# KiCad board DOOR-8CH.kicad_pcb (continued)
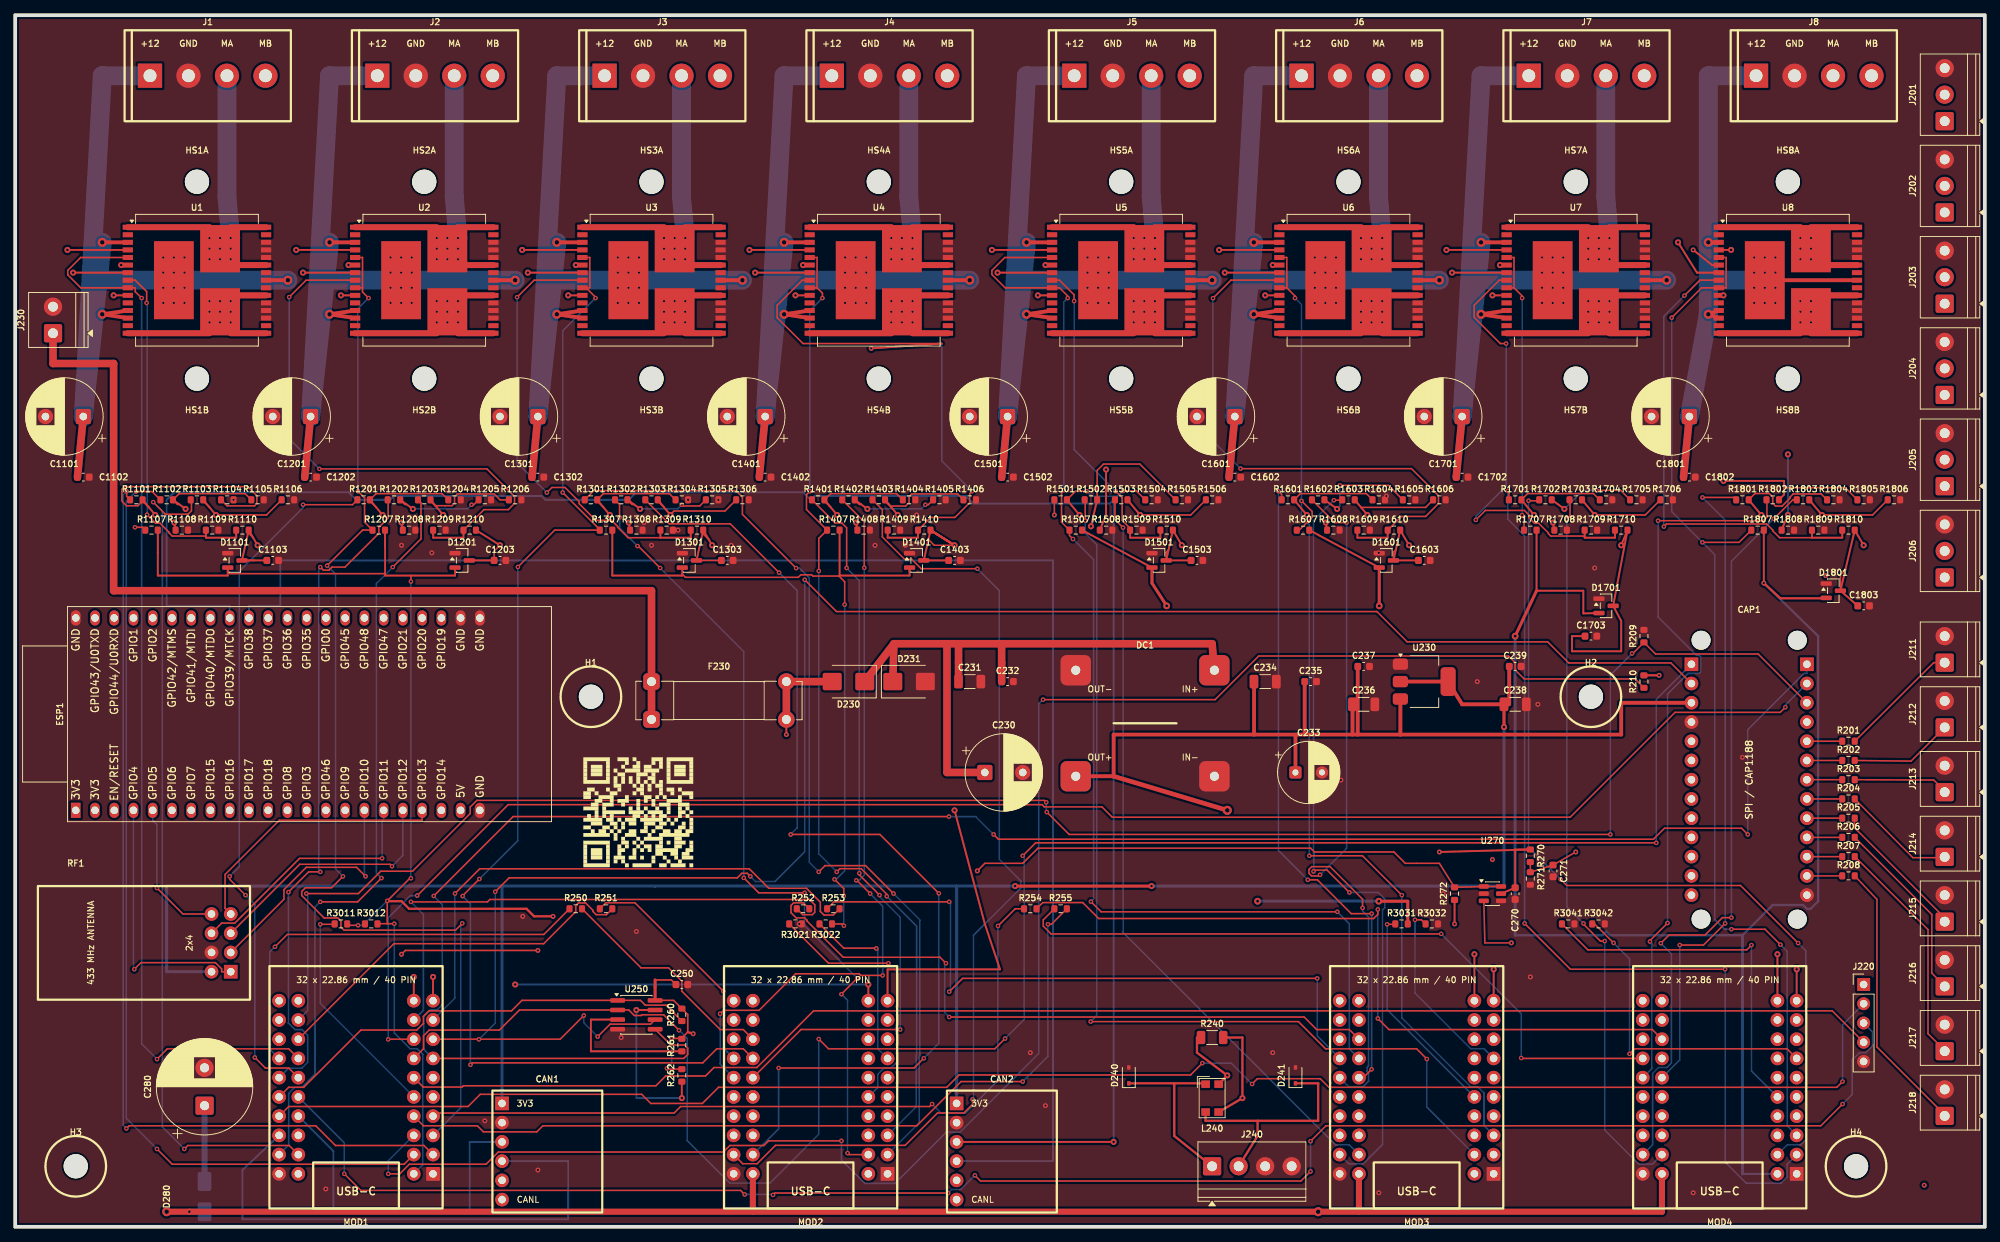
[diagram p0: board, top side]
## Footprints (pads in the part's own frame, mm; a bottom-side part is the same pattern mirrored in y, then rotated) (continued)
TerminalBlock_Phoenix_PT-1,5-2-3.5-H_1x02_P3.50mm_Horizontal
  rrect 2.4x2.4 hole 1.3: 1(0,0)
  round 2.4 hole 1.3: 2(3.5,0)
TerminalBlock_Phoenix_PT-1,5-3-3.5-H_1x03_P3.50mm_Horizontal
  rrect 2.4x2.4 hole 1.3: 1(0,0)
  round 2.4 hole 1.3: 2(3.5,0) 3(7,0)
TerminalBlock_Phoenix_PT-1,5-4-3.5-H_1x04_P3.50mm_Horizontal
  rrect 2.4x2.4 hole 1.3: 1(0,0)
  round 2.4 hole 1.3: 2(3.5,0) 3(7,0) 4(10.5,0)

## Nets
GND: C230.2 C231.2 C232.2 C233.2 C234.2 C235.2 C236.2 C237.2 C238.2 C239.2 C250.2 C270.2 C271.2 C280.2 C1101.2 C1102.2 C1103.2 C1201.2 C1202.2 C1203.2 C1301.2 C1302.2 C1303.2 C1401.2 C1402.2 C1403.2 C1501.2 C1502.2 C1503.2 C1601.2 C1602.2 C1603.2 C1701.2 C1702.2 C1703.2 C1801.2 C1802.2 C1803.2 CAN1.2 CAN2.2 CAP1.4 CAP1.26 D231.2 D240.2 D241.2 D1101.1 D1201.1 D1301.1 D1401.1 D1501.1 D1601.1 D1701.1 D1801.1 DC1.2 DC1.4 ESP1.22 ESP1.23 ESP1.24 ESP1.44 J1.2 J2.2 J3.2 J4.2 J5.2 J6.2 J7.2 J8.2 J201.3 J202.3 J203.3 J204.3 J205.3 J206.3 J211.2 J212.2 J213.2 J214.2 J215.2 J216.2 J217.2 J218.2 J220.5 J230.2 J240.3 J240.4 MOD1.1 MOD1.31 MOD2.1 MOD2.31 MOD3.1 MOD3.31 MOD4.1 MOD4.31 R209.2 R271.2 R1104.2 R1105.2 R1106.2 R1108.2 R1109.2 R1204.2 R1205.2 R1206.2 R1208.2 R1209.2 R1304.2 R1305.2 R1306.2 R1308.2 R1309.2 R1404.2 R1405.2 R1406.2 R1408.2 R1409.2 R1504.2 R1505.2 R1506.2 R1508.2 R1509.2 R1604.2 R1605.2 R1606.2 R1608.2 R1609.2 R1704.2 R1705.2 R1706.2 R1708.2 R1709.2 R1804.2 R1805.2 R1806.2 R1808.2 R1809.2 R3021.2 R3032.2 R3041.2 R3042.2 RF1.4 U1.18 U1.19 U1.20 U1.26 U1.27 U1.28 U2.18 U2.19 U2.20 U2.26 U2.27 U2.28 U3.18 U3.19 U3.20 U3.26 U3.27 U3.28 U4.18 U4.19 U4.20 U4.26 U4.27 U4.28 U5.18 U5.19 U5.20 U5.26 U5.27 U5.28 U6.18 U6.19 U6.20 U6.26 U6.27 U6.28 U7.18 U7.19 U7.20 U7.26 U7.27 U7.28 U8.18 U8.19 U8.20 U8.26 U8.27 U8.28 U230.1 U250.4 U270.2 U270.4
CANH_BUS: CAN1.5 CAN2.5 L240.4 R240.1
CANH_ENTRY: D240.1 J240.1 L240.1
CANL_BUS: CAN1.6 CAN2.6 L240.3 R240.2
CANL_ENTRY: D241.1 J240.2 L240.2
CAP_C1_FIELD: J211.1 R201.2
CAP_C1_RAW: CAP1.18 R201.1
CAP_C2_FIELD: J212.1 R202.2
CAP_C2_RAW: CAP1.19 R202.1
CAP_C3_FIELD: J213.1 R203.2
CAP_C3_RAW: CAP1.20 R203.1
CAP_C4_FIELD: J214.1 R204.2
CAP_C4_RAW: CAP1.21 R204.1
CAP_C5_FIELD: J215.1 R205.2
CAP_C5_RAW: CAP1.22 R205.1
CAP_C6_FIELD: J216.1 R206.2
CAP_C6_RAW: CAP1.23 R206.1
CAP_C7_FIELD: J217.1 R207.2
CAP_C7_RAW: CAP1.24 R207.1
CAP_C8_FIELD: J218.1 R208.2
CAP_C8_RAW: CAP1.25 R208.1
CAP_CS: CAP1.15 MOD1.18
CAP_IRQ: MOD1.13 R210.1
CAP_MISO: CAP1.1 MOD1.17 U250.2
CAP_MOSI: CAP1.14 MOD1.7 U250.5
CAP_RESET: CAP1.16 MOD1.29 R209.1
CAP_SCK: CAP1.2 MOD1.8 U250.6
CH1_CS_DIS: R1108.1 U1.6
CH1_CS_RAW: R1109.1 R1110.1 U1.8
CH1_CURRENT_ADC: C1103.1 D1101.3 MOD1.20 R1110.2
CH1_DIAG: MOD1.27 R1107.1 U1.5 U1.9
CH1_INA: R1101.2 R1104.1 U1.4
CH1_INA_MCU: MOD1.2 R1101.1
CH1_INB: R1102.2 R1105.1 U1.10
CH1_INB_MCU: MOD1.12 R1102.1
CH1_OUTA: J1.3 U1.1 U1.25 U1.30 U1.33
CH1_OUTB: J1.4 U1.15 U1.16 U1.21 U1.32
CH1_PWM: R1103.2 R1106.1 U1.7
CH1_PWM_MCU: MOD1.22 R1103.1
CH2_CS_DIS: R1208.1 U2.6
CH2_CS_RAW: R1209.1 R1210.1 U2.8
CH2_CURRENT_ADC: C1203.1 D1201.3 MOD1.10 R1210.2
CH2_DIAG: MOD1.3 R1207.1 U2.5 U2.9
CH2_INA: R1201.2 R1204.1 U2.4
CH2_INA_MCU: MOD1.26 R1201.1
CH2_INB: R1202.2 R1205.1 U2.10
CH2_INB_MCU: MOD1.36 R1202.1
CH2_OUTA: J2.3 U2.1 U2.25 U2.30 U2.33
CH2_OUTB: J2.4 U2.15 U2.16 U2.21 U2.32
CH2_PWM: R1203.2 R1206.1 U2.7
CH2_PWM_MCU: MOD1.32 R1203.1
CH3_CS_DIS: R1308.1 U3.6
CH3_CS_RAW: R1309.1 R1310.1 U3.8
CH3_CURRENT_ADC: C1303.1 D1301.3 MOD2.20 R1310.2
CH3_DIAG: MOD2.27 R1307.1 U3.5 U3.9
CH3_INA: R1301.2 R1304.1 U3.4
CH3_INA_MCU: MOD2.2 R1301.1
CH3_INB: R1302.2 R1305.1 U3.10
CH3_INB_MCU: MOD2.12 R1302.1
CH3_OUTA: J3.3 U3.1 U3.25 U3.30 U3.33
CH3_OUTB: J3.4 U3.15 U3.16 U3.21 U3.32
CH3_PWM: R1303.2 R1306.1 U3.7
CH3_PWM_MCU: MOD2.22 R1303.1
CH4_CS_DIS: R1408.1 U4.6
CH4_CS_RAW: R1409.1 R1410.1 U4.8
CH4_CURRENT_ADC: C1403.1 D1401.3 MOD2.10 R1410.2
CH4_DIAG: MOD2.3 R1407.1 U4.5 U4.9
CH4_INA: R1401.2 R1404.1 U4.4
CH4_INA_MCU: MOD2.26 R1401.1
CH4_INB: R1402.2 R1405.1 U4.10
CH4_INB_MCU: MOD2.36 R1402.1
CH4_OUTA: J4.3 U4.1 U4.25 U4.30 U4.33
CH4_OUTB: J4.4 U4.15 U4.16 U4.21 U4.32
CH4_PWM: R1403.2 R1406.1 U4.7
CH4_PWM_MCU: MOD2.32 R1403.1
CH5_CS_DIS: R1508.1 U5.6
CH5_CS_RAW: R1509.1 R1510.1 U5.8
CH5_CURRENT_ADC: C1503.1 D1501.3 MOD3.20 R1510.2
CH5_DIAG: MOD3.27 R1507.1 U5.5 U5.9
CH5_INA: R1501.2 R1504.1 U5.4
CH5_INA_MCU: MOD3.2 R1501.1
CH5_INB: R1502.2 R1505.1 U5.10
CH5_INB_MCU: MOD3.12 R1502.1
CH5_OUTA: J5.3 U5.1 U5.25 U5.30 U5.33
CH5_OUTB: J5.4 U5.15 U5.16 U5.21 U5.32
CH5_PWM: R1503.2 R1506.1 U5.7
CH5_PWM_MCU: MOD3.22 R1503.1
CH6_CS_DIS: R1608.1 U6.6
CH6_CS_RAW: R1609.1 R1610.1 U6.8
CH6_CURRENT_ADC: C1603.1 D1601.3 MOD3.10 R1610.2
CH6_DIAG: MOD3.3 R1607.1 U6.5 U6.9
CH6_INA: R1601.2 R1604.1 U6.4
CH6_INA_MCU: MOD3.26 R1601.1
CH6_INB: R1602.2 R1605.1 U6.10
CH6_INB_MCU: MOD3.36 R1602.1
CH6_OUTA: J6.3 U6.1 U6.25 U6.30 U6.33
CH6_OUTB: J6.4 U6.15 U6.16 U6.21 U6.32
CH6_PWM: R1603.2 R1606.1 U6.7
CH6_PWM_MCU: MOD3.32 R1603.1
CH7_CS_DIS: R1708.1 U7.6
CH7_CS_RAW: R1709.1 R1710.1 U7.8
CH7_CURRENT_ADC: C1703.1 D1701.3 MOD4.20 R1710.2
CH7_DIAG: MOD4.27 R1707.1 U7.5 U7.9
CH7_INA: R1701.2 R1704.1 U7.4
CH7_INA_MCU: MOD4.2 R1701.1
CH7_INB: R1702.2 R1705.1 U7.10
CH7_INB_MCU: MOD4.12 R1702.1
CH7_OUTA: J7.3 U7.1 U7.25 U7.30 U7.33
CH7_OUTB: J7.4 U7.15 U7.16 U7.21 U7.32
CH7_PWM: R1703.2 R1706.1 U7.7
CH7_PWM_MCU: MOD4.22 R1703.1
CH8_CS_DIS: R1808.1 U8.6
CH8_CS_RAW: R1809.1 R1810.1 U8.8
CH8_CURRENT_ADC: C1803.1 D1801.3 MOD4.10 R1810.2
CH8_DIAG: MOD4.3 R1807.1 U8.5 U8.9
CH8_INA: R1801.2 R1804.1 U8.4
CH8_INA_MCU: MOD4.26 R1801.1
CH8_INB: R1802.2 R1805.1 U8.10
CH8_INB_MCU: MOD4.36 R1802.1
CH8_OUTA: J8.3 U8.1 U8.25 U8.30 U8.33
CH8_OUTB: J8.4 U8.15 U8.16 U8.21 U8.32
CH8_PWM: R1803.2 R1806.1 U8.7
CH8_PWM_MCU: MOD4.32 R1803.1
EEPROM_CS: MOD1.35 R260.1 U250.1
EEPROM_HOLD: R262.1 U250.7
EEPROM_WP: R261.1 U250.3
ESP_CAN_RX_GPIO38: CAN2.4 ESP1.35
ESP_CAN_TX_GPIO39: CAN2.3 ESP1.36
FUSED_12V_CH1: C1101.1 C1102.1 J1.1 U1.3 U1.12 U1.13 U1.23 U1.31
FUSED_12V_CH2: C1201.1 C1202.1 J2.1 U2.3 U2.12 U2.13 U2.23 U2.31
FUSED_12V_CH3: C1301.1 C1302.1 J3.1 U3.3 U3.12 U3.13 U3.23 U3.31
FUSED_12V_CH4: C1401.1 C1402.1 J4.1 U4.3 U4.12 U4.13 U4.23 U4.31
FUSED_12V_CH5: C1501.1 C1502.1 J5.1 U5.3 U5.12 U5.13 U5.23 U5.31
FUSED_12V_CH6: C1601.1 C1602.1 J6.1 U6.3 U6.12 U6.13 U6.23 U6.31
FUSED_12V_CH7: C1701.1 C1702.1 J7.1 U7.3 U7.12 U7.13 U7.23 U7.31
FUSED_12V_CH8: C1801.1 C1802.1 J8.1 U8.3 U8.12 U8.13 U8.23 U8.31
LOGIC_3V3: C238.1 C239.1 CAN1.1 CAN2.1 RF1.2 U230.2
LOGIC_5V: C233.1 C234.1 C235.1 C236.1 C237.1 CAP1.3 D280.2 DC1.3 ESP1.21 MOD2.21 MOD3.21 MOD4.21 U230.3
LOGIC_12V_FUSED: C270.1 D230.2 F230.2 R270.1 U270.5
LOGIC_12V_IN: F230.1 J230.1
LOGIC_12V_PROTECTED: C230.1 C231.1 C232.1 D230.1 D231.1 DC1.1
PGOOD_SENSE: C271.1 R270.2 R271.1 U270.3
POWER_GOOD: MOD1.30 R272.2 U270.1 U270.6
REED_A_CLOSED: J202.2 MOD1.5
REED_A_IN_PLACE: J203.2 MOD1.38
REED_A_OPEN: J201.2 MOD1.6
REED_B_CLOSED: J205.2 MOD2.5
REED_B_IN_PLACE: J206.2 MOD2.38
REED_B_OPEN: J204.2 MOD2.6
RF_CSN: ESP1.16 RF1.3
RF_GDO0: ESP1.4 RF1.1
RF_GDO2: ESP1.5 RF1.8
RF_LEARN_BUTTON_GPIO9: ESP1.15
RF_MISO: ESP1.19 RF1.7
RF_MOSI: ESP1.17 RF1.6
RF_SCK: ESP1.18 RF1.5
S1_3V3: C250.1 D1101.2 D1201.2 J201.1 J202.1 J203.1 J220.1 MOD1.11 R210.2 R260.2 R261.2 R262.2 R272.1 R1107.2 R1207.2 R3011.2 R3012.2 U250.8
S1_5V_HOLD: C280.1 D280.1 MOD1.21
S1_CAN_RX: CAN1.4 MOD1.33
S1_CAN_TX: CAN1.3 MOD1.24
S1_NRST: J220.4 MOD1.16
S1_SLOT_ID0: MOD1.15 R3011.1
S1_SLOT_ID1: R3012.1
S1_SWCLK: J220.3 MOD1.25
S1_SWDIO: J220.2 MOD1.34
S1_UART1_RX: MOD1.28 R251.2
S1_UART1_TX: MOD1.37 R250.1
S1_UART2_RX: MOD1.9 R253.2
S1_UART2_TX: MOD1.19 R252.1
S1_UART3_RX: MOD1.14 R255.2
S1_UART3_TX: MOD1.4 R254.1
S2_3V3: D1301.2 D1401.2 J204.1 J205.1 J206.1 MOD2.11 R1307.2 R1407.2 R3022.2
S2_SLOT_ID0: MOD2.15 R3021.1
S2_SLOT_ID1: MOD2.7 R3022.1
S2_UART_RX: MOD2.28 R250.2
S2_UART_TX: MOD2.37 R251.1
S3_3V3: D1501.2 D1601.2 MOD3.11 R1507.2 R1607.2 R3031.2
S3_SLOT_ID0: MOD3.15 R3031.1
S3_SLOT_ID1: MOD3.7 R3032.1
S3_UART_RX: MOD3.28 R252.2
S3_UART_TX: MOD3.37 R253.1
S4_3V3: D1701.2 D1801.2 MOD4.11 R1707.2 R1807.2
S4_SLOT_ID0: MOD4.15 R3041.1
S4_SLOT_ID1: MOD4.7 R3042.1
S4_UART_RX: MOD4.28 R254.2
S4_UART_TX: MOD4.37 R255.1

Pads without a net: CAP1 5 6 7 8 9 10 11 12 13 17; ESP1 1 2 3 6 7 8 9 10 11 12 13 14 20 25 26 27 28 29 30 31 32 33 34 37 38 39 40 41 42 43; MOD1 23 39 40; MOD2 4 8 9 13 14 16 17 18 19 23 24 25 29 30 33 34 35 39 40; MOD3 4 5 6 8 9 13 14 16 17 18 19 23 24 25 29 30 33 34 35 38 39 40; MOD4 4 5 6 8 9 13 14 16 17 18 19 23 24 25 29 30 33 34 35 38 39 40; U1 2 11 14 17 22 24 29; U2 2 11 14 17 22 24 29; U3 2 11 14 17 22 24 29; U4 2 11 14 17 22 24 29; U5 2 11 14 17 22 24 29; U6 2 11 14 17 22 24 29; U7 2 11 14 17 22 24 29; U8 2 11 14 17 22 24 29

## Via types
v1: diameter 0.6, hole 0.3, Top to Bottom, 209 vias
v2: diameter 0.65, hole 0.3, Top to Bottom, 282 vias
v3: diameter 0.55, hole 0.3, Top to Bottom, 3 vias
v4: diameter 0.8, hole 0.35, Top to Bottom, 90 vias
v5: diameter 0.9, hole 0.4, Top to Bottom, 5 vias
v6: diameter 1.2, hole 0.6, Top to Bottom, 26 vias

## Routing (per net, layer and track width the routed paths; a pad name or vN(x,y) marks a point on that pad's centre or on a via; arc(x,y) is an arc through that point)
GND:
  vias: v2(41,5) v2(51,90) v2(55,89) v2(62,14) v2(67,41) v2(69,7.5) v2(80,25) v2(82,39) v2(83,93) v2(84,90) v2(87.5,92) v2(94.5,90) v2(103.5,40) v2(113.5,90) v2(117.5,90) v2(119,94) v2(134,23) v2(136,16) v2(166,23) v2(175,59) v2(180,89) v2(180,4.5) v2(181,96.5) v2(188.5,44) v2(193,72) v2(200,33) v2(201,69) v2(208.5,87) v2(221.5,4.5) v2(228,62) v3(28.82,96) v3(88.83,96) v3(92.83,96)
CANH_BUS: length 246.3
  Top w0.3: 158.87,18.84 v4(160,20) 156,23 156,25 156.54,25
  In1.Cu w0.3: CAN2.5 128,6.14 128,50 148,50 ; v4(160,20) 148,20 148,50 ; 148,50 68,50 68,6.14 CAN1.5
CANH_ENTRY: length 23.6
  Top w0.3: J240.1 153,12 153,18.95 ; 153,18.95 D240.1 ; 153,18.95 157.13,18.95 157.13,18.84
CANL_BUS: length 257.4
  Top w0.3: 158.87,15.16 v4(162,17) 162,25 159.46,25
  In2.Cu w0.3: v4(162,17) 155,17 155,48 70,48 70,3.6 CAN1.6 ; 150,48 140,48 140,3.6 CAN2.6
CANL_ENTRY: length 30.7
  Top w0.3: 164,14 172,14 172,18.95 D241.1 ; 164,14 164,12 J240.2 ; 164,14 157.13,14 157.13,15.16
CAP_C1_FIELD: length 16.3
  Top w0.2: J211.1 254.75,74.5 253.25,74.5 R201.2
CAP_C1_RAW: length 4.7
  Top w0.2: CAP1.18 R201.1
CAP_C2_FIELD: length 13.9
  Top w0.2: R202.2 250.25,61.5 254.75,66 J212.1
CAP_C2_RAW: length 4.7
  Top w0.2: 236.51,61.58 R202.1
CAP_C3_FIELD: length 12.7
  Top w0.2: R203.2 253.25,59 254.75,57.5 J213.1
CAP_C3_RAW: length 4.7
  Top w0.2: CAP1.20 R203.1
CAP_C4_FIELD: length 15.3
  Top w0.2: R204.2 250.5,48.75 254.75,48.75 J214.1
CAP_C4_RAW: length 4.7
  Top w0.2: CAP1.21 R204.1
CAP_C5_FIELD: length 18.8
  Top w0.2: J215.1 254.75,40.25 254.75,40.75 242.75,52.75 R205.2
CAP_C5_RAW: length 4.7
  Top w0.2: CAP1.22 R205.1
CAP_C6_FIELD: length 24.7
  Top w0.2: R206.2 253,41.25 253,33.5 254.75,31.75 J216.1
CAP_C6_RAW: length 4.7
  Top w0.2: CAP1.23 R206.1
CAP_C7_FIELD: length 30.7
  Top w0.2: R207.2 252.5,39.25 252.5,25.5 254.75,23.25 J217.1
CAP_C7_RAW: length 4.7
  Top w0.2: CAP1.24 R207.1
CAP_C8_FIELD: length 36.6
  Top w0.2: R208.2 245.75,43.25 245.75,23.75 254.75,14.75 J218.1
CAP_C8_RAW: length 4.7
  Top w0.2: CAP1.25 R208.1
CAP_CS: length 221.1
  Top w0.2: MOD1.18 49.27,24.78 v1(49.25,24.76) ; v1(233.67,68.61) 232.99,67.94 219.1,67.94 205.26,54.09 144.82,54.09 143.45,55.46 135.86,55.46 135.56,55.75 65.08,55.75 v1(53.07,43.74)
  Bottom w0.2: v1(49.25,24.76) 49.25,40.82 52.17,43.74 v1(53.07,43.74) ; v1(233.67,68.61) 233.67,68.91 CAP1.15
CAP_IRQ: length 236
  Top w0.2: R210.1 213.82,72.36 199.19,72.36 198,73.54 198,74.5 197.12,75.38 164.15,75.38 158.39,69.62 v1(135.68,69.62) ; v1(49.25,7) 50.77,7 52.04,8.27 62.16,8.27 63.77,9.88 93.48,9.88 94.34,10.74 98.84,10.74 99.45,11.36 v1(109.07,11.36)
  Bottom w0.2: v1(109.07,11.36) 109.07,8.83 112.15,5.74 116.14,5.74 122.91,12.51 124.73,12.51 135.12,22.89 135.12,69.05 v1(135.68,69.62) ; MOD1.13 49.25,8.71 v1(49.25,7)
CAP_MISO: length 250.6
  Top w0.2: v1(87.63,25.97) 85.6,28 82.73,28 82.64,27.91 81.73,27.91 81,28.63 U250.2 66.57,28.63 63.92,25.98 54.66,25.98 53.9,25.22 53.9,23.52 MOD1.17 ; v1(216.63,50.71) 134.7,50.71 v1(133,49) ; v1(130.67,24.86) 129.31,23.51 107.36,23.51 v1(106.08,24.8)
  Bottom w0.2: v1(106.08,24.8) 106.08,12.22 99.64,5.79 94.32,5.79 88.7,11.41 88.7,24.9 v1(87.63,25.97) ; v1(130.67,24.86) 133.18,27.37 133.18,48.82 v1(133,49) ; CAP1.1 216.63,69.64 v1(216.63,50.71)
CAP_MOSI: length 269.9
  Top w0.2: v1(228.7,51.82) 227.88,52.64 217.71,52.64 216.25,51.18 129.79,51.18 v1(129.16,51.82) ; v1(123.26,54.17) 65.73,54.17 v1(55.25,43.69) ; MOD1.7 88.25,22.24 88.78,22.77 88.78,23.6 88.38,24 86.57,24 U250.5
  Bottom w0.2: v1(123.26,54.17) 126.8,54.17 v1(129.16,51.82) ; v1(228.7,51.82) 228.7,65.65 236.13,73.08 236.51,73.08 CAP1.14 ; MOD1.7 53.94,23.46 53.94,27.81 54.79,28.66 55.69,28.66 56.37,29.34 56.37,42.57 v1(55.25,43.69)
CAP_RESET: length 249.7
  Top w0.2: v1(136.11,56.06) 135.85,56.31 60.94,56.31 60.07,55.44 60.07,54.58 52.45,46.96 48.26,46.96 45.3,44.01 v1(38.44,44.01) ; CAP1.16 230.07,75.64 216.53,75.64 R209.1 213.54,75.71 v1(213.43,75.71) ; v1(210.57,51.82) 139.13,51.82 v1(136.18,54.77)
  Bottom w0.2: MOD1.29 38.62,28.56 38.62,43.82 v1(38.44,44.01) ; v1(136.18,54.77) 136.11,54.84 v1(136.11,56.06) ; v1(213.43,75.71) 210.57,72.85 v1(210.57,51.82)
CAP_SCK: length 256.2
  Top w0.2: v1(97.04,46.28) 96.64,46.69 95.93,46.69 95.32,46.08 65.2,46.08 v1(63.37,44.25) ; 61.22,24.78 v1(61.22,24.76) ; 61.22,24.78 71.95,24.78 v1(75.07,27.9) ; 61.22,24.78 MOD1.8 ; CAP1.2 218.55,74.47 205.07,74.47 202.29,77.25 183.75,77.25 179.75,81.25 108.42,81.25 v1(104.22,85.45) ; U250.6 83.87,26.76 78.54,26.76 v1(76.89,25.12)
  Bottom w0.2: v1(61.22,24.76) 63.37,26.91 v1(63.37,44.25) ; v1(97.04,46.28) 97.72,45.6 100.31,45.6 104.22,49.51 v1(104.22,85.45) ; v1(76.89,25.12) 75.07,26.94 v1(75.07,27.9)
CH1_CS_DIS: length 43.4
  Top w0.2: 21.09,92.5 21.18,92.42 R1108.1
  Top w0.25: 21.18,92 v4(21,93) ; v4(14,127) U1.6 14.88,127
  In1.Cu w0.25: v4(21,93) 14,93 v4(14,127)
CH1_CS_RAW: length 48.6
  Top w0.2: 25.18,91.21 20.74,91.21 20.3,91.65 20.3,91.73 19.11,92.92 18.53,92.92 v1(17.41,94.04) ; R1110.1 29.18,91.5 29.18,91.5 ; R1109.1 25.18,91.5 25.18,91.5 ; U1.8 15.85,125 17.36,123.5 v1(17.36,122)
  Top w0.25: 25.18,92 25.18,91 29.18,91 29.18,92
  Bottom w0.2: v1(17.36,122) 17.41,121.95 v1(17.41,94.04)
CH1_CURRENT_ADC: length 93.4
  Top w0.2: 31.58,88 D1101.3 ; R1110.2 30.82,91.59 31.41,91
  Top w0.25: v4(32,90) 30.83,92 29.94,88 C1103.1 33.23,88 ; v4(52.62,33) MOD1.20
  In2.Cu w0.25: v4(52.62,33) 32,33 v4(32,90)
CH1_DIAG: length 144
  Top w0.2: R1107.1 16.8,92.37 v1(15.82,92.37) ; v1(16.7,122.64) 15.85,123.49 15.85,124 U1.9 8.65,124 6.94,125.71 6.94,126.3 8.64,128 U1.5 ; v1(18.72,22.15) 20.08,23.51 36.11,23.51 MOD1.27
  Bottom w0.2: v1(16.7,122.64) 16.7,92.37 ; 16.7,92.37 16.7,24.18 v1(18.72,22.15) ; 16.7,92.37 v1(15.82,92.37)
CH1_INA: length 96
  Top w0.2: 17.66,95 16.82,95.84 ; 16.82,95.84 R1101.2 ; 16.82,95.84 16.2,95.22 14.7,95.22 14.09,95.84 14.09,97.39 14.44,97.75 30.7,97.75 31.9,96.55 31.9,95.51 31.6,95.21 27.97,95.21 R1104.1
  Top w0.25: v4(18.5,94) 16.83,96 ; 14.88,129 U1.4 v4(6.9,129)
  In2.Cu w0.25: v4(18.5,94) 18.5,90 6.9,90 v4(6.9,129)
CH1_INA_MCU: length 128
  Top w0.2: v1(14.68,12.99) 15.04,13.35 39.68,13.35 42.28,10.74 53.96,10.74 MOD1.2 ; v1(14.71,97.12) 14.71,96.46 R1101.1
  Bottom w0.2: v1(14.68,12.99) 14.25,13.42 14.25,96.66 v1(14.71,97.12)
CH1_INB: length 53.7
  Top w0.2: 20.83,96 21.64,96.81 30.36,96.81 R1105.1 ; 21.66,95.4 21.43,95.4 R1102.2
  Top w0.25: v4(22.5,94.8) 20.83,96 ; 14.88,123 U1.10 v4(13,123)
  In2.Cu w0.25: v4(13,123) 13,94.8 v4(22.5,94.8)
CH1_INB_MCU: length 127.9
  Top w0.2: v1(18.72,10.28) 20.74,8.27 51.35,8.27 MOD1.12 ; R1102.1 18.08,97.09 v1(15.96,97.09)
  Bottom w0.2: v1(15.96,97.09) 14.67,95.81 14.67,14.33 v1(18.72,10.28)
CH1_OUTA: length 58.4
  Top w0.8: U1.1 25.65,132 ; U1.30 28.45,132 ; U1.25 28.45,127
  Bottom w0.5: v2(27.05,127.77) v2(28.45,127.77) v2(28.45,129.16) ; v2(27.05,127.77) v2(25.65,127.77) v2(25.65,129.16) ; v2(27.05,127.77) v2(27.05,129.16) ; v2(27.05,129.16) v2(28.45,129.16) ; v2(27.05,129.16) v2(27.05,130.56) ; v2(27.05,129.16) v2(25.65,129.16) ; v2(28.45,129.16) v2(28.45,130.56) v2(27.05,130.56) ; v2(27.05,130.56) v2(25.65,130.56) v2(25.65,129.16)
  Bottom w2.5: v2(28.45,130.56) 27.96,136 J1.3
CH1_OUTB: length 80.3
  Top w0.8: U1.15 25.65,118 ; U1.16 28.45,118 ; U1.21 28.45,123
  In1.Cu w0.5: v2(27.05,120.84) v2(27.05,119.44) ; v2(27.05,120.84) v2(27.05,122.23) ; v2(27.05,120.84) v2(25.65,120.84) ; v2(27.05,120.84) v2(28.45,120.84) ; v2(27.05,119.44) v2(25.65,119.44) v2(25.65,120.84) ; v2(27.05,119.44) v2(28.45,119.44) v2(28.45,120.84) ; v2(25.65,120.84) v2(25.65,122.23) v2(27.05,122.23) ; v2(27.05,122.23) v2(28.45,122.23) v2(28.45,120.84)
  In1.Cu w2.5: v2(28.45,119.44) 33.04,115 J1.4
CH1_PWM: length 83.5
  Top w0.2: R1106.1 33.17,94 v4(26.5,94) ; 25.66,95 24.82,95.84 R1103.2
  Top w0.25: 14.88,126 U1.7 v4(7.65,126) ; 24.83,96 v4(26.5,94)
  In1.Cu w0.25: v4(7.65,126) 7.65,88 26.5,88 v4(26.5,94)
CH1_PWM_MCU: length 110.2
  Top w0.2: R1103.1 23.27,95.91 23.27,94.54 22.83,94.1 19.82,94.1 v1(18.23,95.69) ; v1(22.33,10.28) 22.79,10.74 36.18,10.74 MOD1.22
  Bottom w0.2: v1(18.23,95.69) 19.43,94.49 19.43,13.19 v1(22.33,10.28)
CH2_CS_DIS: length 43.4
  Top w0.2: 51.09,92.5 51.17,92.42 R1208.1
  Top w0.25: 44.88,127 U2.6 v4(44,127) ; 51.18,92 v4(51,93)
  In1.Cu w0.25: v4(44,127) 44,93 v4(51,93)
CH2_CS_RAW: length 77.3
  Top w0.2: R1210.1 59.17,91.5 59.18,91.5 ; v1(40.16,100.09) 62.27,100.09 65.92,96.44 65.92,95.53 65.09,94.7 61.88,94.7 59.18,92 ; v1(36.17,122.77) 38.4,125 U2.8 ; 55.18,91.5 55.17,91.5 R1209.1
  Top w0.25: 59.18,92 59.18,91 55.18,91 55.18,92
  Bottom w0.2: v1(40.16,100.09) 36.17,104.07 v1(36.17,122.77)
CH2_CURRENT_ADC: length 78.3
  Top w0.2: 59.94,88 D1201.3 ; R1210.2 60.83,92 ; 63.23,88 63.23,89.23 v4(64,90)
  Top w0.25: v4(55.16,33) MOD1.10 ; 59.94,88 C1203.1 63.23,88 ; 60.83,92 v4(64,90)
  In2.Cu w0.25: v4(64,90) 64,33 v4(55.16,33)
CH2_DIAG: length 149.8
  Top w0.2: U2.5 45.85,128 45.85,124 ; 45.85,124 45.85,123.44 v1(46.65,122.64) ; 45.85,124 U2.9 ; v1(43.27,46.28) 41.76,44.78 38.32,44.78 37.83,44.29 37.83,43.74 40.78,40.79 42.59,40.79 43,40.38 43,39.58 43.41,39.18 58.12,39.18 v1(59.02,40.07) ; v1(41.17,87.31) 45.86,92 R1207.1 46.12,93.05 46.12,96.26 v1(45.25,97.14)
  Bottom w0.2: v1(45.25,97.14) 45.25,121.24 v1(46.65,122.64) ; v1(59.02,40.07) 58.82,39.87 58.82,15.74 MOD1.3 ; v1(41.17,87.31) 42.29,86.2 42.29,47.26 v1(43.27,46.28)
CH2_INA: length 77.2
  Top w0.2: 47.66,95 46.83,95.84 R1201.2 47.64,96.82 56.36,96.82 R1204.1
  Top w0.25: v4(48.5,94) 46.83,96 ; v4(37.1,129) U2.4 44.88,129
  In2.Cu w0.25: v4(48.5,94) 48.5,90 37.1,90 v4(37.1,129)
CH2_INA_MCU: length 92.7
  Top w0.2: v1(38,95.35) 44.53,95.35 R1201.1 ; v1(28.31,46.28) 28.31,45.9 v1(30.41,43.8) ; v1(31.63,22.37) 33.03,20.97 36.11,20.97 MOD1.26
  Bottom w0.2: v1(28.31,46.28) 29.59,47.56 29.59,86.55 38,94.97 v1(38,95.35) ; v1(30.41,43.8) 31.63,42.58 v1(31.63,22.37)
CH2_INB: length 51.9
  Top w0.2: 51.66,95.4 51.42,95.4 R1202.2 ; R1205.1 60.53,95.35 v1(60.25,95.35)
  Top w0.25: v4(43,123) U2.10 44.88,123 ; v4(52.5,94.8) 50.83,96
  In2.Cu w0.25: v4(52.5,94.8) 43,94.8 v4(43,123)
  Bottom w0.2: v1(60.25,95.35) 59.69,94.8 v4(52.5,94.8)
CH2_INB_MCU: length 89.3
  Top w0.2: v1(40.28,87.11) 40.68,86.71 41.42,86.71 41.83,87.11 43.53,87.11 48,91.58 48,92.36 49.23,93.59 49.23,95.94 R1202.1 ; v1(36.08,44.21) 38.74,46.88 v1(40.28,46.88)
  Bottom w0.2: v1(40.28,87.11) 40.08,86.92 40.08,47.07 v1(40.28,46.88) ; MOD1.36 36.11,20.97 37.87,20.97 38.61,21.71 38.61,25.29 37.85,26.05 36.92,26.05 36.08,26.89 v1(36.08,44.21)
CH2_OUTA: length 58.4
  Top w0.8: U2.30 58.45,132 ; U2.1 55.65,132 ; U2.25 58.45,127
  Bottom w0.5: v2(57.05,129.16) v2(57.05,127.77) ; v2(57.05,129.16) v2(57.05,130.56) ; v2(57.05,129.16) v2(55.65,129.16) ; v2(57.05,129.16) v2(58.45,129.16) ; v2(57.05,127.77) v2(55.65,127.77) v2(55.65,129.16) ; v2(57.05,127.77) v2(58.45,127.77) v2(58.45,129.16) ; v2(57.05,130.56) v2(58.45,130.56) v2(58.45,129.16) ; v2(57.05,130.56) v2(55.65,130.56) v2(55.65,129.16)
  Bottom w2.5: J2.3 57.96,136 v2(58.45,130.56)
CH2_OUTB: length 80.3
  Top w0.8: U2.15 55.65,118 ; U2.21 58.45,123 ; U2.16 58.45,118
  In1.Cu w0.5: v2(57.05,122.23) v2(58.45,122.23) v2(58.45,120.84) ; v2(57.05,122.23) v2(57.05,120.84) ; v2(57.05,122.23) v2(55.65,122.23) v2(55.65,120.84) ; v2(57.05,119.44) v2(55.65,119.44) v2(55.65,120.84) ; v2(57.05,119.44) v2(57.05,120.84) ; v2(57.05,119.44) v2(58.45,119.44) v2(58.45,120.84) ; v2(57.05,120.84) v2(58.45,120.84) ; v2(57.05,120.84) v2(55.65,120.84)
  In1.Cu w2.5: v2(58.45,119.44) 63.04,115 J2.4
CH2_PWM: length 87.5
  Top w0.2: 55.66,95 54.83,95.84 R1203.2 ; 55.48,95.22 56.77,95.22 56.77,95.22 57.67,95.22 58,95.55 58,96.4 58.38,96.78 63.23,96.78 64.01,96 R1206.1
  Top w0.25: 44.88,126 U2.7 v4(38,126) ; v4(56.5,94) 55.66,95 55.48,95.22 54.83,96
  In1.Cu w0.25: v4(38,126) 38,110 36.5,110 36.5,88 56.5,88 v4(56.5,94)
CH2_PWM_MCU: length 98.4
  Top w0.2: R1203.1 53.58,95.6 53.58,90.85 v1(49.85,87.13) ; v1(48.35,46.06) 45.21,42.92 v1(40.28,42.92)
  Bottom w0.2: v1(49.85,87.13) 47.68,84.96 47.68,46.73 v1(48.35,46.06) ; MOD1.32 36.11,10.81 36.11,17.64 36.9,18.43 37.83,18.43 39.58,20.18 39.58,42.22 v1(40.28,42.92)
CH3_CS_DIS: length 42.9
  Top w0.25: U3.6 v4(74,127) ; v4(81,93) R1308.1
  In1.Cu w0.25: v4(74,127) 74,93 v4(81,93)
CH3_CS_RAW: length 61.2
  Top w0.2: v1(66.25,122.75) 68.5,125 U3.8 ; v1(70.19,96.96) 70.86,97.63 72.58,97.63 74.44,95.77 74.44,95.5 76.64,93.3 78.71,93.3 79.53,92.48 79.53,92.38 80.91,91 85.17,91
  Top w0.25: R1309.1 85.17,91 89.17,91 R1310.1
  Bottom w0.2: v1(70.19,96.96) 66.25,100.9 v1(66.25,122.75)
CH3_CURRENT_ADC: length 144
  Top w0.2: C1303.1 D1301.3 ; 91.55,90.78 90.83,91.5 R1310.2
  Top w0.25: v4(92,90) 91.55,90.78 90.83,92 89.94,88 ; v4(112.62,32) MOD2.20
  In1.Cu w0.25: v4(92,90) 92,55 66,55 v4(66,32)
  Bottom w0.25: v4(66,32) v4(112.62,32)
CH3_DIAG: length 163
  Top w0.2: v1(60.09,21.4) 60.35,21.66 90.76,21.66 92.61,23.51 96.11,23.51 MOD2.27 ; v1(59.06,43.68) 59.06,43.72 v1(61.28,45.93) ; v1(76.61,122.64) 76.61,122.76 75.36,124 ; v1(72.28,96.96) 77.17,92.07 R1307.1 71.22,92 v1(66.36,87.14) ; 75.36,124 U3.9 ; 75.36,124 75.85,124 75.85,128 U3.5
  Bottom w0.2: v1(61.28,45.93) 66.36,51.02 v1(66.36,87.14) ; v1(72.28,96.96) 72.28,118.31 v1(76.61,122.64) ; v1(59.06,43.68) 60.09,42.65 v1(60.09,21.4)
CH3_INA: length 77.5
  Top w0.2: R1301.2 76.83,95.84 77.67,95 ; R1304.1 86.37,96.81 77.64,96.81 76.83,96
  Top w0.25: 76.83,96 v4(78.5,94) ; v4(66.93,129) U3.4 74.88,129
  In2.Cu w0.25: v4(66.93,129) 66.93,90 78.5,90 v4(78.5,94)
CH3_INA_MCU: length 125
  Top w0.2: R1301.1 76.4,97.22 95.14,97.22 96,96.36 96,94.07 v1(103.09,86.99) ; v1(115.95,44) 112.25,47.7 106.9,47.7 v1(106.08,46.87)
  Bottom w0.2: MOD2.2 119.33,13.71 119.33,22.51 119.42,22.6 119.42,40.53 v1(115.95,44) ; v1(106.08,46.87) 104.82,48.12 104.82,85.7 103.53,86.99 v1(103.09,86.99)
CH3_INB: length 52
  Top w0.2: v1(88,95.35) 88.16,95.2 90.37,95.2 R1305.1 ; R1302.2 81.42,95.4 81.67,95.4
  Top w0.25: v4(82.5,94.8) 80.83,96 ; v4(73,123) U3.10 74.88,123
  In2.Cu w0.25: v4(82.5,94.8) 73,94.8 v4(73,123)
  Bottom w0.2: v1(88,95.35) 87.45,94.8 v4(82.5,94.8)
CH3_INB_MCU: length 107.1
  Top w0.2: v1(104.2,44.11) 98.15,44.11 v1(96.18,46.08) ; v1(109.07,30.72) 109.07,30.74 v1(111.14,32.82) ; MOD2.12 110.07,9.54 v1(109.87,9.74) ; R1302.1 79.78,95.39 v1(79.78,93.68) ; v1(82.15,89.9) 82.24,89.9 v1(85.14,87)
  Bottom w0.2: v1(82.15,89.9) 79.78,92.27 v1(79.78,93.68) ; v1(109.07,30.72) 109.87,29.91 v1(109.87,9.74) ; v1(85.14,87) 96.18,75.97 v1(96.18,46.08) ; v1(104.2,44.11) 104.2,39.76 v1(111.14,32.82)
CH3_OUTA: length 58.4
  Top w0.8: U3.1 85.65,132 ; U3.30 88.45,132 ; U3.25 88.45,127
  Bottom w0.5: v2(87.05,127.77) v2(88.45,127.77) v2(88.45,129.16) ; v2(87.05,127.77) v2(87.05,129.16) ; v2(87.05,127.77) v2(85.65,127.77) v2(85.65,129.16) ; v2(87.05,130.56) v2(88.45,130.56) v2(88.45,129.16) ; v2(87.05,130.56) v2(85.65,130.56) v2(85.65,129.16) ; v2(87.05,130.56) v2(87.05,129.16) ; v2(88.45,129.16) v2(87.05,129.16) ; v2(87.05,129.16) v2(85.65,129.16)
  Bottom w2.5: J3.3 87.96,136 v2(88.45,130.56)
CH3_OUTB: length 80.3
  Top w0.8: U3.21 88.45,123 ; U3.15 85.65,118 ; U3.16 88.45,118
  In1.Cu w0.5: v2(87.05,122.23) v2(88.45,122.23) v2(88.45,120.84) ; v2(87.05,122.23) v2(85.65,122.23) v2(85.65,120.84) ; v2(87.05,122.23) v2(87.05,120.84) ; v2(85.65,120.84) v2(87.05,120.84) ; v2(85.65,120.84) v2(85.65,119.44) v2(87.05,119.44) ; v2(87.05,120.84) v2(88.45,120.84) ; v2(87.05,120.84) v2(87.05,119.44) ; v2(87.05,119.44) v2(88.45,119.44) v2(88.45,120.84)
  In1.Cu w2.5: v2(88.45,119.44) 93.04,115 J3.4
CH3_PWM: length 83.5
  Top w0.2: 86.47,94.03 86.97,94.52 93.7,94.52 R1306.1 ; R1303.2 84.83,95.84 85.67,95
  Top w0.25: v4(67.67,126) U3.7 74.88,126 ; 84.83,96 85.67,95 86.47,94.03 v4(86.5,94)
  In1.Cu w0.25: v4(67.67,126) 67.67,88 86.5,88 v4(86.5,94)
CH3_PWM_MCU: length 135.5
  Top w0.2: v1(121.93,44.03) 114.15,51.82 v1(102.37,51.82) ; R1303.1 86.35,92.83 94.4,92.83 v1(100.84,86.39) ; v1(119.94,22.26) 118.66,20.98 v1(100.78,20.98)
  Bottom w0.2: v1(119.94,22.26) 121.93,24.25 v1(121.93,44.03) ; v1(100.78,20.98) 100.78,12.94 MOD2.22 ; v1(102.37,51.82) 103.21,52.65 103.21,84.02 v1(100.84,86.39)
CH4_CS_DIS: length 42.9
  Top w0.25: U4.6 v4(104,127) ; v4(111,93) R1408.1
  In1.Cu w0.25: v4(104,127) 104,93 v4(111,93)
CH4_CS_RAW: length 86.3
  Top w0.2: R1410.1 120.85,93.68 124.05,93.68 126,95.62 126,96.83 v1(126.31,97.14) ; U4.8 103.9,125 100.58,121.68 100.58,120.05 104,116.64 122.32,116.64
  Top w0.25: 122.32,116.64 v2(113,116) ; R1410.1 119.17,91 115.17,91 R1409.1
  Bottom w0.2: 122.32,116.64 122.32,101.13 v1(126.31,97.14)
  Bottom w0.25: 122.32,116.64 v2(113,116)
CH4_CURRENT_ADC: length 113.2
  Top w0.2: 120.56,90.77 121.32,90 v4(124,90) ; D1401.3 119.94,88
  Top w0.25: 123.23,88 C1403.1 119.94,88 120.56,90.77 120.83,92 ; R1410.2 v4(124,90) ; R1410.2 v4(124,90) ; R1410.2 v4(124,90) ; R1410.2 v4(124,90) ; R1410.2 v4(124,90) ; R1410.2 v4(124,90) ; R1410.2 v4(124,90) ; v4(124,55) 128,40 130,34 115.16,34 MOD2.10
  In1.Cu w0.25: v4(124,90) v4(124,55)
CH4_DIAG: length 130
  Top w0.2: v1(106.56,122.64) 106.56,123.29 105.85,124 105.85,124 ; v1(108.45,46.88) 108.87,47.3 111.68,47.3 115.05,43.92 v1(115.05,43.65) ; U4.5 105.85,128 105.85,124 105.85,124 ; 105.85,124 U4.9 ; v1(104.9,97.14) 104.46,96.7 104.46,94.72 R1407.1 106.08,90.9 v1(106.08,86.61)
  Bottom w0.2: v1(106.08,86.61) 106.08,49.25 v1(108.45,46.88) ; MOD2.3 118.93,15.85 118.93,22.67 118.99,22.73 118.99,39.71 v1(115.05,43.65) ; v1(106.56,122.64) 104.9,120.98 v1(104.9,97.14)
CH4_INA: length 77.5
  Top w0.2: 107.67,95 106.83,95.84 R1401.2 107.63,96.81 116.37,96.81 R1404.1
  Top w0.25: v4(108.5,94) 106.83,96 ; 104.88,129 U4.4 v4(96.93,129)
  In2.Cu w0.25: v4(96.93,129) 96.93,90 108.5,90 v4(108.5,94)
CH4_INA_MCU: length 97.4
  Top w0.2: v1(114.11,43.8) 111.43,46.48 v1(111.43,46.7) ; R1401.1 108.22,92.95 109.11,92.95 109.76,92.31 v1(109.76,87) ; v1(116.83,26.06) 103.74,26.06 MOD2.26
  Bottom w0.2: v1(111.43,46.7) 111.43,85.33 v1(109.76,87) ; v1(114.11,43.8) 114.11,43.6 116.83,40.88 v1(116.83,26.06)
CH4_INB: length 51.9
  Top w0.2: v1(120.16,95.35) 120.53,95.35 R1405.1 ; R1402.2 111.42,95.4 111.67,95.4
  Top w0.25: v4(112.5,94.8) 110.83,96 ; 104.88,123 U4.10 v4(103,123)
  In2.Cu w0.25: v4(103,123) 103,94.8 v4(112.5,94.8)
  Bottom w0.2: v4(112.5,94.8) 119.6,94.8 v1(120.16,95.35)
CH4_INB_MCU: length 99.1
  Top w0.2: v1(93.05,28.13) 93.5,28.59 98.2,28.59 103.03,33.42 111.39,33.42 111.61,33.2 v1(114.51,33.2) ; v1(111.03,45.76) 111.11,45.76 v1(112.86,44) ; R1402.1 112.08,93.09 v1(112.08,87.03)
  Bottom w0.2: v1(112.86,44) 114.51,42.36 v1(114.51,33.2) ; v1(93.05,28.13) 93.05,21.49 MOD2.36 ; v1(111.03,45.76) 111.39,45.76 112.08,46.46 v1(112.08,87.03)
CH4_OUTA: length 58.4
  Top w0.8: U4.1 115.65,132 ; U4.25 118.45,127 ; U4.30 118.45,132
  Bottom w0.5: v2(118.45,129.16) v2(118.45,127.77) v2(117.05,127.77) ; v2(118.45,129.16) v2(117.05,129.16) ; v2(118.45,129.16) v2(118.45,130.56) v2(117.05,130.56) ; v2(115.65,129.16) v2(117.05,129.16) ; v2(115.65,129.16) v2(115.65,130.56) v2(117.05,130.56) ; v2(115.65,129.16) v2(115.65,127.77) v2(117.05,127.77) ; v2(117.05,129.16) v2(117.05,127.77) ; v2(117.05,129.16) v2(117.05,130.56)
  Bottom w2.5: J4.3 117.96,136 v2(118.45,130.56)
CH4_OUTB: length 80.3
  Top w0.8: U4.15 115.65,118 ; U4.16 118.45,118 ; U4.21 118.45,123
  In1.Cu w0.5: v2(117.05,119.44) v2(118.45,119.44) v2(118.45,120.84) ; v2(117.05,119.44) v2(115.65,119.44) v2(115.65,120.84) ; v2(117.05,119.44) v2(117.05,120.84) ; v2(117.05,122.23) v2(118.45,122.23) v2(118.45,120.84) ; v2(117.05,122.23) v2(115.65,122.23) v2(115.65,120.84) ; v2(117.05,122.23) v2(117.05,120.84) ; v2(117.05,120.84) v2(118.45,120.84) ; v2(117.05,120.84) v2(115.65,120.84)
  In1.Cu w2.5: v2(118.45,119.44) 123.04,115 J4.4
CH4_PWM: length 85.5
  Top w0.2: 115.67,95 114.83,95.84 R1403.2 ; 115.25,95.5 115.57,95.17 117.54,95.17 118,95.64 118,96.42 118.36,96.78 124.39,96.78 R1406.1
  Top w0.25: v4(116.5,94) 115.67,95 115.25,95.5 114.83,96 ; 104.88,126 U4.7 v4(97.67,126)
  In1.Cu w0.25: v4(97.67,126) 97.67,88 116.5,88 v4(116.5,94)
CH4_PWM_MCU: length 130.8
  Top w0.2: R1403.1 114.47,94.71 114.47,91.1 117.42,88.14 118.36,88.14 119.59,86.9 v1(127.01,86.9) ; MOD2.32 96.05,8.34 97.94,8.34 100.36,10.76 117.48,10.76 121.75,15.03 125.23,15.03 126.38,16.19 v1(126.38,16.83)
  Bottom w0.2: v1(126.38,16.83) 126.5,16.95 126.5,38.5 132.77,44.77 132.77,45.66 129.91,48.52 129.91,84.01 v1(127.01,86.9)
